# Altium PCB PCB1.PcbDoc (part 3 of 4)
Units mm, origin at the board's own origin, x right, y up, seen from the top; angles counter-clockwise.
Board outline 170.5 x 170.3 mm, 2 copper layers (Top Layer, Bottom Layer); 947 components, 657 nets, 3453 pads, 181 vias.
Unrouted connection lines stored in the file: 2490.
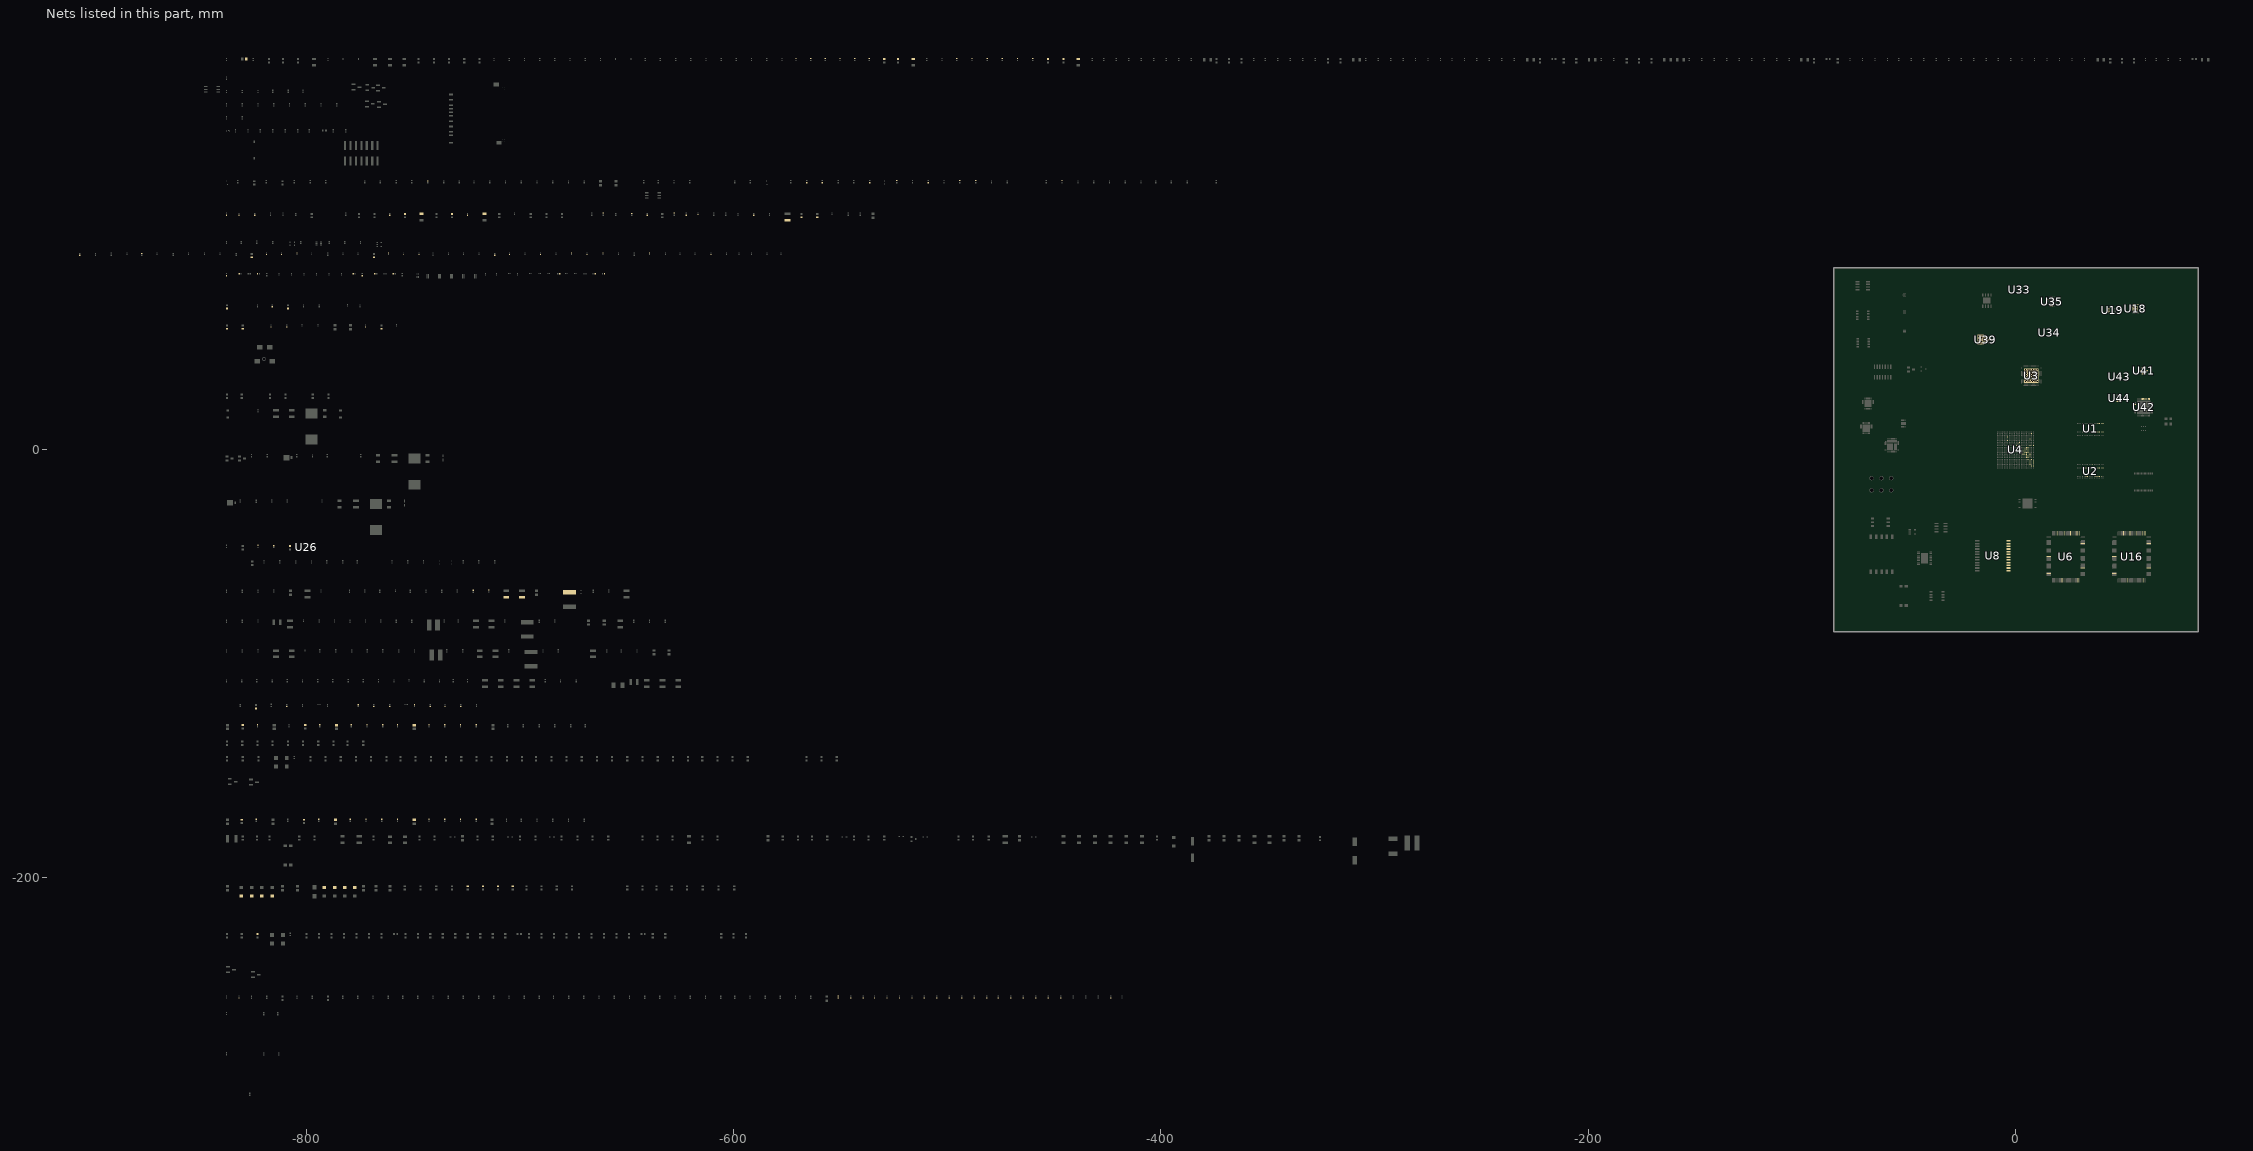
[diagram p3: the nets of this part, all layers, seen from the top]

## Footprints (in the part's own frame and the unit in brackets; to place one, negate y for a bottom-side part, rotate by r counter-clockwise, add the part's x,y. Pads: shape width x height; smd on the part's side, far side on the other; paste and mask are expansions set on the pad) (continued)
PA_RFMD_RFPA3800_8-SOIC [mil] "SOIC, 8-Leads, Body 5.0x4.0mm (max), Pitch 1.27mm, IPC Medium Density"
  rect 60x25 smd: 1(-103.5,75) 2(-103.5,25) 3(-103.5,-25) 4(-103.5,-75) 5(103.5,-75) 6(103.5,-25) 7(103.5,25) 8(103.5,75)
  rect 105x140 smd: 9(0,0)
  silkscreen extent -108,-98 45,114, body extent -79,-98 79,98, height 68
PoEControler_ST_PM8803TR_HTSSOP20 [mm]
  rect 1.3x0.35 smd: 1(-2.85,2.925) 2(-2.85,2.275) 3(-2.85,1.625) 4(-2.85,0.975) 5(-2.85,0.325) 6(-2.85,-0.325) 7(-2.85,-0.975) 8(-2.85,-1.625) 9(-2.85,-2.275) 10(-2.85,-2.925) 11(2.85,-2.925) 12(2.85,-2.275) 13(2.85,-1.625) 14(2.85,-0.975) 15(2.85,-0.325) 16(2.85,0.325) 17(2.85,0.975) 18(2.85,1.625) 19(2.85,2.275) 20(2.85,2.925)
  rect 3.3x4.7 smd: 21(0,0)
  silkscreen extent -2.97,-3.3 1.6,3.77, body extent -2.25,-3.3 2.25,3.3, height 1.2
Polarized_CAPC1206(3216) [mm] "Chip Capacitor, Body 3.2x1.6mm, Height 1mm, IPC Medium Density"
  rect 1.15x1.8 smd: 1(-1.5,0) 2(1.5,0)
  silkscreen extent -2.41,-1.02 0.55,1.02, body extent -1.7,-0.9 1.7,0.9, height 1
Polarized_CAPC1210(3225) [mm] "Chip Capacitor, Body 3.2x2.5mm, Height 1mm, IPC Medium Density"
  rect 1.15x2.7 smd: 1(-1.5,0) 2(1.5,0)
  silkscreen extent -2.41,-1.4 0.55,1.4, body extent -1.7,-1.35 1.7,1.35, height 1
PushButtonSwitch_CnK_1.14002.1110000 [mm]
  rect 1.6x0.55 smd: 3(-2.9,0) 3(2.9,0) 4(-2.9,-1.27) 4(-2.9,1.27) 4(2.9,-1.27) 4(2.9,1.27)
  silkscreen extent -1.37,-2.6 1.38,2.6, body extent -3.25,-2.6 3.25,2.6, height 3.95
QuadComp_Fairchild_LM339MX-NOPB_14SOIC [mm]
  rect 2x0.6 smd: 1(-2.425,3.81) 2(-2.425,2.54) 3(-2.425,1.27) 4(-2.425,0) 5(-2.425,-1.27) 6(-2.425,-2.54) 7(-2.425,-3.81) 8(2.425,-3.81) 9(2.425,-2.54) 10(2.425,-1.27) 11(2.425,0) 12(2.425,1.27) 13(2.425,2.54) 14(2.425,3.81)
  silkscreen extent -2.55,-4.4 0.93,4.78, body extent -2,-4.38 2,4.38, height 1.75
QuadESDDiode_TEConnectivity_SESD0802Q4UG_5-PIN [mm]
  rect 0.3x0.3 smd: 1(0.85,0.15) 2(-0.45,0.15) 3(-0.85,-0.15) 4(0.45,-0.15)
  rect 0.3x0.6 smd: G(0,0)
  silkscreen extent 1.17,0.54 1.37,0.73, body extent -1.05,-0.35 1.05,0.35, height 0.43
Regulator_LT_LT1507CS8-3.3#PBF_8SOIC [mm]
  rect 1.8x0.6 smd: 1(-2.4,1.905) 2(-2.4,0.635) 3(-2.4,-0.635) 4(-2.4,-1.905) 5(2.4,-1.905) 6(2.4,-0.635) 7(2.4,0.635) 8(2.4,1.905)
  silkscreen extent -2.52,-2.5 0.9,2.88, body extent -1.99,-2.5 1.99,2.5, height 1.75
RES_4-ARRAY_YC124-JR-0722RL [mm]
  rect 0.5x0.5 smd: 1(-0.35,0.8) 4(-0.35,-0.8) 5(0.35,-0.8) 8(0.35,0.8)
  rect 0.5x0.35 smd: 2(-0.35,0.25) 3(-0.35,-0.25) 6(0.35,-0.25) 7(0.35,0.25)
  silkscreen extent -1.01,-1.14 0.85,1.56, body extent -0.48,-1.05 0.48,1.05, height 0.55
RESC0201(0603)_N [mm] "Chip Resistor, Body 0.6x0.3mm, IPC Medium Density"
  rect 0.45x0.45 smd: 1(-0.35,0) 2(0.35,0)
  body extent -0.31,-0.16 0.31,0.16, height 0.3
RESC0402(1005)_N [mm] "Chip Resistor, Body 1.0x0.5mm, IPC Medium Density"
  rect 0.55x0.65 smd: 1(-0.5,0) 2(0.5,0)
  body extent -0.52,-0.27 0.53,0.28, height 0.4
RESC0603(1608)_N [mm] "Chip Resistor, Body 1.6x0.8mm, IPC Medium Density"
  rect 0.9x1 smd: 1(-0.8,0) 2(0.8,0)
  silkscreen extent -0.05,-0.4 0.05,0.4, body extent -0.85,-0.47 0.85,0.47, height 0.6
RESC0805(2012)_N [mm] "Chip Resistor, Body 2.0x1.3mm, IPC Medium Density"
  rect 1.05x1.4 smd: 1(-0.95,0) 2(0.95,0)
  silkscreen extent -0.05,-0.6 0.05,0.6, body extent -1.1,-0.67 1.1,0.68, height 0.7
RESC1206(3216)_N [mm] "Chip Resistor, Body 3.2x1.6mm, IPC Medium Density"
  rect 1.15x1.8 smd: 1(-1.45,0) 2(1.45,0)
  silkscreen extent -0.5,-0.8 0.5,0.8, body extent -1.67,-0.87 1.67,0.87, height 0.75
RF_Transceiver_LimeMicro_LMS6002D_DQFN-116 [mm]
  rect 0.45x0.3 smd: 1(-4.55,3.5) 2(-4.55,3) 3(-4.55,2.5) 4(-4.55,2) 5(-4.55,1.5) 6(-4.55,1) 7(-4.55,0.5) 8(-4.55,0) 9(-4.55,-0.5) 10(-4.55,-1) 11(-4.55,-1.5) 12(-4.55,-2) 13(-4.55,-2.5) 14(-4.55,-3) 15(-4.55,-3.5) 31(4.55,-3.5) 32(4.55,-3) 33(4.55,-2.5) 34(4.55,-2) 35(4.55,-1.5) 36(4.55,-1) 37(4.55,-0.5) 38(4.55,0) 39(4.55,0.5) 40(4.55,1) 41(4.55,1.5) 42(4.55,2) 43(4.55,2.5) 44(4.55,3) 45(4.55,3.5)
  rect 0.3x0.45 smd: 16(-3.5,-4.55) 17(-3,-4.55) 18(-2.5,-4.55) 19(-2,-4.55) 20(-1.5,-4.55) 21(-1,-4.55) 22(-0.5,-4.55) 23(0,-4.55) 24(0.5,-4.55) 25(1,-4.55) 26(1.5,-4.55) 27(2,-4.55) 28(2.5,-4.55) 29(3,-4.55) 30(3.5,-4.55) 46(3.5,4.55) 47(3,4.55) 48(2.5,4.55) 49(2,4.55) 50(1.5,4.55) 51(1,4.55) 52(0.5,4.55) 53(0,4.55) 54(-0.5,4.55) 55(-1,4.55) 56(-1.5,4.55) 57(-2,4.55) 58(-2.5,4.55) 59(-3,4.55) 60(-3.5,4.55)
  rect 0.3x0.3 smd: 61(-3.9,3.25) 62(-3.9,2.75) 63(-3.9,2.25) 64(-3.9,1.75) 65(-3.9,1.25) 66(-3.9,0.75) 67(-3.9,0.25) 68(-3.9,-0.25) 69(-3.9,-0.75) 70(-3.9,-1.25) 71(-3.9,-1.75) 72(-3.9,-2.25) 73(-3.9,-2.75) 74(-3.9,-3.25) 75(-3.25,-3.9) 76(-2.75,-3.9) 77(-2.25,-3.9) 78(-1.75,-3.9) 79(-1.25,-3.9) 80(-0.75,-3.9) 81(-0.25,-3.9) 82(0.25,-3.9) 83(0.75,-3.9) 84(1.25,-3.9) 85(1.75,-3.9) 86(2.25,-3.9) 87(2.75,-3.9) 88(3.25,-3.9) 89(3.9,-3.25) 90(3.9,-2.75) 91(3.9,-2.25) 92(3.9,-1.75) 93(3.9,-1.25) 94(3.9,-0.75) 95(3.9,-0.25) 96(3.9,0.25) 97(3.9,0.75) 98(3.9,1.25) 99(3.9,1.75) 100(3.9,2.25) 101(3.9,2.75) 102(3.9,3.25) 103(3.25,3.9) 104(2.75,3.9) 105(2.25,3.9) 106(1.75,3.9) 107(1.25,3.9) 108(0.75,3.9) 109(0.25,3.9) 110(-0.25,3.9) 111(-0.75,3.9) 112(-1.25,3.9) 113(-1.75,3.9) 114(-2.25,3.9) 115(-2.75,3.9) 116(-3.25,3.9)
  rect 6.8x6.8 smd: 117(0,0)
  silkscreen extent -5.45,3.38 -5.2,3.62, body extent -4.5,-4.5 4.5,4.5, height 0.85
SchottkyDiode_BAT46JFILM [mm]
  rect 0.8x0.45 smd: 1(-0.975,0) 2(0.975,0)
  silkscreen extent -1.1,-0.9 0.15,0.9, body extent -0.76,-0.9 0.76,0.9, height 1.17
SchottkyDiode_MBR130T1G_SOD-123 [mm]
  rect 0.91x1.22 smd: 1(-1.635,0) 2(1.635,0)
  silkscreen extent -2.45,-0.8 -2.45,0.8, body extent -1.42,-0.9 1.42,0.9, height 1.35
SchottkyDiode_MBR0520-TP_SOD-123 [mm]
  rect 0.9x1.2 smd: 1(-1.615,0) 2(1.615,0)
  silkscreen extent -2.43,-0.9 -2.43,0.9, body extent -1.43,-0.9 1.42,0.9, height 1.35
SchottkyDiode_RB751S40_2-PIN [mm]
  rect 0.4x0.4 smd: 1(-0.7,0) 2(0.7,0)
  silkscreen extent -1.27,-0.25 -1.27,0.25, body extent -0.65,-0.45 0.65,0.45, height 0.7
SchottkyDiode_SS2P2-M384A_2-PIN [mil]
  rect 105.12x100 smd: 1(-65.06,0)
  rect 30x50 smd: 2(27.5,0)
  silkscreen extent -140,-50 -140,50, body extent -100,-50 26,50, height 28
SchottlyDiode_SMAJ58A_SMA [mm]
  rect 2.1x1.8 smd: 1(-2.2,0) 2(2.2,0)
  silkscreen extent -3.68,-1.4 -3.68,1.4, body extent -2.25,-1.4 2.25,1.4, height 2.29
SchottlyDiode_STPS2H100A_SMA [mm]
  rect 1.4x1.64 smd: 1(-2.015,0) 2(2.015,0)
  silkscreen extent -3,-1.45 -3,1.45, body extent -2.3,-1.45 2.3,1.45, height 2.45
SD_Card_Conn_KYOCERA_145638009511859+ [mm]
  rect 0.8x2 smd: 1(-6.88,-14.6) 2(-4.38,-14.6) 3(-1.08,-14.6) 4(0.62,-14.6) 5(3.12,-14.6) 6(5.62,-14.6) 7(8.05,-14.6) 8(9.75,-14.6) 9(-9.38,-14.6) 10(-2.68,-14.6) 11(13.24,-14.6)
  round 1.4 hole 1.5 unplated paste+0 mask+0.15: H1(-12.1,9.9) H2(12.1,9.9)
  rect 1.8x2.4 smd: H3(-14.1,6.6)
  rect 1.7x2.4 smd: M1(13.25,7.8)
  Keep-Out Layer region: -10,-3.6 10.5,-3.6 10.5,-7.6 -10,-7.6
  silkscreen extent -15.5,-16.1 14.6,15.9, body extent -14.25,-15 14.25,15.4, height 2.9
ShuntRegu_ST_TS431AILT_SOT23-5 [mm]
  rect 1x0.6 smd: 1(-1.2,0.95) 2(-1.2,0) 3(-1.2,-0.95) 4(1.2,-0.95) 5(1.2,0.95)
  silkscreen extent -1.32,-1.5 0.25,1.92, body extent -0.87,-1.5 0.87,1.5, height 1.45
SPDT_Power_L102021ML04Q_Thru-Hole [mm]
  round 2 hole 1.65: 1(-2.85,4.6) 2(-2.85,0) 3(-2.85,-4.6) 4(2.85,-4.6) 5(2.85,0) 6(2.85,4.6)
  silkscreen extent -4.03,-9.55 4.03,9.55, body extent -5.4,-9.55 5.4,9.55, height 12.4
SPI_Flash_S25FL256SAGNFI00_WSON-8 [mm]
  rect 0.9x0.45 smd: 1(-3.75,1.905) 2(-3.75,0.635) 3(-3.75,-0.635) 4(-3.75,-1.905) 5(3.75,-1.905) 6(3.75,-0.635) 7(3.75,0.635) 8(3.75,1.905)
  rect 4.8x4.8 smd: 9(0,0)
  silkscreen extent -4.87,-3 4,3, body extent -4,-3 4,3, height 0.8
Switch_Hittite_HMC849LP4CE_16-QFN [mm]
  rect 0.8x0.4 smd: 1(-1.95,0.975) 2(-1.95,0.325) 3(-1.95,-0.325) 4(-1.95,-0.975) 9(1.95,-0.975) 10(1.95,-0.325) 11(1.95,0.325) 12(1.95,0.975)
  rect 0.4x0.8 smd: 5(-0.975,-1.95) 6(-0.325,-1.95) 7(0.325,-1.95) 8(0.975,-1.95) 13(0.975,1.95) 14(0.325,1.95) 15(-0.325,1.95) 16(-0.975,1.95)
  rect 2.6x2.6 smd: 17(0,0)
  silkscreen extent -3.02,-2.05 2.05,2.05, body extent -2.05,-2.05 2.05,2.05, height 1
Switch_Peregrine_PE42440_16-QFN [mm]
  rect 0.65x0.25 smd: 1(-1.525,0.75) 2(-1.525,0.25) 3(-1.525,-0.25) 4(-1.525,-0.75) 9(1.525,-0.75) 10(1.525,-0.25) 11(1.525,0.25) 12(1.525,0.75)
  rect 0.25x0.65 smd: 5(-0.75,-1.525) 6(-0.25,-1.525) 7(0.25,-1.525) 8(0.75,-1.525) 13(0.75,1.525) 14(0.25,1.525) 15(-0.25,1.525) 16(-0.75,1.525)
  rect 1.8x1.8 smd: 17(0,0)
  silkscreen extent -2.52,-1.55 1.55,1.55, body extent -1.53,-1.52 1.52,1.53, height 0.8
TCXO_KYOCERA_KT2520Y40000ECV28TBA_PCB-6PIN [mm]
  rect 0.5x0.825 smd: 1(-1.075,-0.738) 3(1.075,-0.738) 4(1.075,0.737) 6(-1.075,0.737)
  rect 0.5x0.43 smd: 2(0,-0.935) 5(0,0.935)
  silkscreen extent -2.16,-0.86 -1.91,-0.61, body extent -1.32,-1.08 1.33,1.07, height 0.9
TCXO_TXC_7Q-16.368MBG-T_4-PIN [mm]
  rect 0.78x0.87 smd: 1(-1.515,0.67) 2(-1.515,-0.67) 3(1.515,-0.67) 4(1.515,0.67)
  silkscreen extent -2.58,-1.35 1.7,1.35, body extent -1.68,-1.32 1.68,1.33, height 1.1
Trans_Coilcraft_DA2319-ALC_SOP-6 [mm]
  rect 1.6x0.9 smd: 1(-3.7,1.85) 2(-3.7,0) 3(-3.7,-1.85) 4(3.7,-1.85) 5(3.7,0) 6(3.7,1.85)
  silkscreen extent -3.82,-3.3 2.78,3.3, body extent -2.5,-3.3 2.5,3.3, height 5.4
USB_COM_FTDI_FT232HQTRAY_QFN48_N [mm] "QFN, 48-Leads, Body 8x8mm, Pitch 0.5mm, Thermal Pad 6.3x6.3mm, IPC Medium Density"
  oval 0.9x0.25 smd: 1(-3.95,2.75) 2(-3.95,2.25) 3(-3.95,1.75) 4(-3.95,1.25) 5(-3.95,0.75) 6(-3.95,0.25) 7(-3.95,-0.25) 8(-3.95,-0.75) 9(-3.95,-1.25) 10(-3.95,-1.75) 11(-3.95,-2.25) 12(-3.95,-2.75) 25(3.95,-2.75) 26(3.95,-2.25) 27(3.95,-1.75) 28(3.95,-1.25) 29(3.95,-0.75) 30(3.95,-0.25) 31(3.95,0.25) 32(3.95,0.75) 33(3.95,1.25) 34(3.95,1.75) 35(3.95,2.25) 36(3.95,2.75)
  oval 0.25x0.9 smd: 13(-2.75,-3.95) 14(-2.25,-3.95) 15(-1.75,-3.95) 16(-1.25,-3.95) 17(-0.75,-3.95) 18(-0.25,-3.95) 19(0.25,-3.95) 20(0.75,-3.95) 21(1.25,-3.95) 22(1.75,-3.95) 23(2.25,-3.95) 24(2.75,-3.95) 37(2.75,3.95) 38(2.25,3.95) 39(1.75,3.95) 40(1.25,3.95) 41(0.75,3.95) 42(0.25,3.95) 43(-0.25,3.95) 44(-0.75,3.95) 45(-1.25,3.95) 46(-1.75,3.95) 47(-2.25,3.95) 48(-2.75,3.95)
  rect 6.3x6.3 smd: 49(0,0)
  silkscreen extent -4.97,-4.19 4.19,4.19, body extent -4.04,-4.04 4.04,4.04, height 1
ZenerDiode_BZX84-A3V0215_SOT23-3 [mm]
  rect 0.7x0.5 smd: 1(-1.025,0.95) 2(-1.025,-0.95) 3(1.025,0)
  silkscreen extent -1.15,-1.5 0.7,1.87, body extent -0.7,-1.5 0.7,1.5, height 1.1
ZenerDiode_DDZ6V8CSF-7_2-PIN [mm]
  rect 0.7x0.4 smd: 1(-0.995,0) 2(0.995,0)
  silkscreen extent -1.12,-0.6 0.1,0.87, body extent -0.9,-0.63 0.9,0.63, height 0.75
ZYNQ_xc7z020clg484pkg_BGA-484 [mm]
  round 0.5 smd: A1(-8.4,8.4) A2(-7.6,8.4) A3(-6.8,8.4) A4(-6,8.4) A5(-5.2,8.4) A6(-4.4,8.4) A7(-3.6,8.4) A8(-2.8,8.4) A9(-2,8.4) A10(-1.2,8.4) A11(-0.4,8.4) A12(0.4,8.4) A13(1.2,8.4) A14(2,8.4) A15(2.8,8.4) A16(3.6,8.4) A17(4.4,8.4) A18(5.2,8.4) A19(6,8.4) A20(6.8,8.4) A21(7.6,8.4) A22(8.4,8.4) AA1(-8.4,-7.6) AA2(-7.6,-7.6) AA3(-6.8,-7.6) AA4(-6,-7.6) AA5(-5.2,-7.6) AA6(-4.4,-7.6) AA7(-3.6,-7.6) AA8(-2.8,-7.6) AA9(-2,-7.6) AA10(-1.2,-7.6) AA11(-0.4,-7.6) AA12(0.4,-7.6) AA13(1.2,-7.6) AA14(2,-7.6) AA15(2.8,-7.6) AA16(3.6,-7.6) AA17(4.4,-7.6) AA18(5.2,-7.6) AA19(6,-7.6) AA20(6.8,-7.6) AA21(7.6,-7.6) AA22(8.4,-7.6) AB1(-8.4,-8.4) AB2(-7.6,-8.4) AB3(-6.8,-8.4) AB4(-6,-8.4) AB5(-5.2,-8.4) AB6(-4.4,-8.4) AB7(-3.6,-8.4) AB8(-2.8,-8.4) AB9(-2,-8.4) AB10(-1.2,-8.4) AB11(-0.4,-8.4) AB12(0.4,-8.4) AB13(1.2,-8.4) AB14(2,-8.4) AB15(2.8,-8.4) AB16(3.6,-8.4) AB17(4.4,-8.4) AB18(5.2,-8.4) AB19(6,-8.4) AB20(6.8,-8.4) AB21(7.6,-8.4) AB22(8.4,-8.4) B1(-8.4,7.6) B2(-7.6,7.6) B3(-6.8,7.6) B4(-6,7.6) B5(-5.2,7.6) B6(-4.4,7.6) B7(-3.6,7.6) B8(-2.8,7.6) B9(-2,7.6) B10(-1.2,7.6) B11(-0.4,7.6) B12(0.4,7.6) B13(1.2,7.6) B14(2,7.6) B15(2.8,7.6) B16(3.6,7.6) B17(4.4,7.6) B18(5.2,7.6) B19(6,7.6) B20(6.8,7.6) B21(7.6,7.6) B22(8.4,7.6) C1(-8.4,6.8) C2(-7.6,6.8) C3(-6.8,6.8) C4(-6,6.8) C5(-5.2,6.8) C6(-4.4,6.8) C7(-3.6,6.8) C8(-2.8,6.8) C9(-2,6.8) C10(-1.2,6.8) C11(-0.4,6.8) C12(0.4,6.8) C13(1.2,6.8) C14(2,6.8) C15(2.8,6.8) C16(3.6,6.8) C17(4.4,6.8) C18(5.2,6.8) C19(6,6.8) C20(6.8,6.8) C21(7.6,6.8) C22(8.4,6.8) D1(-8.4,6) D2(-7.6,6) D3(-6.8,6) D4(-6,6) D5(-5.2,6) D6(-4.4,6) D7(-3.6,6) D8(-2.8,6) D9(-2,6) D10(-1.2,6) D11(-0.4,6) D12(0.4,6) D13(1.2,6) D14(2,6) D15(2.8,6) D16(3.6,6) D17(4.4,6) D18(5.2,6) D19(6,6) D20(6.8,6) D21(7.6,6) D22(8.4,6) E1(-8.4,5.2) E2(-7.6,5.2) E3(-6.8,5.2) E4(-6,5.2) E5(-5.2,5.2) E6(-4.4,5.2) E7(-3.6,5.2) E8(-2.8,5.2) E9(-2,5.2) E10(-1.2,5.2) E11(-0.4,5.2) E12(0.4,5.2) E13(1.2,5.2) E14(2,5.2) E15(2.8,5.2) E16(3.6,5.2) E17(4.4,5.2) E18(5.2,5.2) E19(6,5.2) E20(6.8,5.2) E21(7.6,5.2) E22(8.4,5.2) F1(-8.4,4.4) F2(-7.6,4.4) F3(-6.8,4.4) F4(-6,4.4) F5(-5.2,4.4) F6(-4.4,4.4) F7(-3.6,4.4) F8(-2.8,4.4) F9(-2,4.4) F10(-1.2,4.4) F11(-0.4,4.4) F12(0.4,4.4) F13(1.2,4.4) F14(2,4.4) F15(2.8,4.4) F16(3.6,4.4) F17(4.4,4.4) F18(5.2,4.4) F19(6,4.4) F20(6.8,4.4) F21(7.6,4.4) F22(8.4,4.4) G1(-8.4,3.6) G2(-7.6,3.6) G3(-6.8,3.6) G4(-6,3.6) G5(-5.2,3.6) G6(-4.4,3.6) G7(-3.6,3.6) G8(-2.8,3.6) G9(-2,3.6) G10(-1.2,3.6) G11(-0.4,3.6) G12(0.4,3.6) G13(1.2,3.6) G14(2,3.6) G15(2.8,3.6) G16(3.6,3.6) G17(4.4,3.6) G18(5.2,3.6) G19(6,3.6) G20(6.8,3.6) G21(7.6,3.6) G22(8.4,3.6) H1(-8.4,2.8) H2(-7.6,2.8) H3(-6.8,2.8) H4(-6,2.8) H5(-5.2,2.8) H6(-4.4,2.8) H7(-3.6,2.8) H8(-2.8,2.8) H9(-2,2.8) H10(-1.2,2.8) H11(-0.4,2.8) H12(0.4,2.8) H13(1.2,2.8) H14(2,2.8) H15(2.8,2.8) H16(3.6,2.8) H17(4.4,2.8) H18(5.2,2.8) H19(6,2.8) H20(6.8,2.8) H21(7.6,2.8) H22(8.4,2.8) J1(-8.4,2) J2(-7.6,2) J3(-6.8,2) J4(-6,2) J5(-5.2,2) J6(-4.4,2) J7(-3.6,2) J8(-2.8,2) J9(-2,2) J10(-1.2,2) J11(-0.4,2) J12(0.4,2) J13(1.2,2) J14(2,2) J15(2.8,2) J16(3.6,2) J17(4.4,2) J18(5.2,2) J19(6,2) J20(6.8,2) J21(7.6,2) J22(8.4,2) K1(-8.4,1.2) K2(-7.6,1.2) K3(-6.8,1.2) K4(-6,1.2) K5(-5.2,1.2) K6(-4.4,1.2) K7(-3.6,1.2) K8(-2.8,1.2) K9(-2,1.2) K10(-1.2,1.2) K11(-0.4,1.2) K12(0.4,1.2) K13(1.2,1.2) K14(2,1.2) K15(2.8,1.2) K16(3.6,1.2) K17(4.4,1.2) K18(5.2,1.2) K19(6,1.2) K20(6.8,1.2) K21(7.6,1.2) K22(8.4,1.2) L1(-8.4,0.4) L2(-7.6,0.4) L3(-6.8,0.4) L4(-6,0.4) L5(-5.2,0.4) L6(-4.4,0.4) L7(-3.6,0.4) L8(-2.8,0.4) L9(-2,0.4) L10(-1.2,0.4) L11(-0.4,0.4) L12(0.4,0.4) L13(1.2,0.4) L14(2,0.4) L15(2.8,0.4) L16(3.6,0.4) L17(4.4,0.4) L18(5.2,0.4) L19(6,0.4) L20(6.8,0.4) L21(7.6,0.4) L22(8.4,0.4) M1(-8.4,-0.4) M2(-7.6,-0.4) M3(-6.8,-0.4) M4(-6,-0.4) M5(-5.2,-0.4) M6(-4.4,-0.4) M7(-3.6,-0.4) M8(-2.8,-0.4) M9(-2,-0.4) M10(-1.2,-0.4) M11(-0.4,-0.4) M12(0.4,-0.4) M13(1.2,-0.4) M14(2,-0.4) M15(2.8,-0.4) M16(3.6,-0.4) M17(4.4,-0.4) M18(5.2,-0.4) M19(6,-0.4) M20(6.8,-0.4) M21(7.6,-0.4) M22(8.4,-0.4) N1(-8.4,-1.2) N2(-7.6,-1.2) N3(-6.8,-1.2) N4(-6,-1.2) N5(-5.2,-1.2) N6(-4.4,-1.2) N7(-3.6,-1.2) N8(-2.8,-1.2) N9(-2,-1.2) N10(-1.2,-1.2) N11(-0.4,-1.2) N12(0.4,-1.2) N13(1.2,-1.2) N14(2,-1.2) N15(2.8,-1.2) N16(3.6,-1.2) N17(4.4,-1.2) N18(5.2,-1.2) N19(6,-1.2) N20(6.8,-1.2) N21(7.6,-1.2) N22(8.4,-1.2) P1(-8.4,-2) P2(-7.6,-2) P3(-6.8,-2) P4(-6,-2) P5(-5.2,-2) P6(-4.4,-2) P7(-3.6,-2) P8(-2.8,-2) P9(-2,-2) P10(-1.2,-2) P11(-0.4,-2) P12(0.4,-2) P13(1.2,-2) P14(2,-2) P15(2.8,-2) P16(3.6,-2) P17(4.4,-2) P18(5.2,-2) P19(6,-2) P20(6.8,-2) P21(7.6,-2) P22(8.4,-2) R1(-8.4,-2.8) R2(-7.6,-2.8) R3(-6.8,-2.8) R4(-6,-2.8) R5(-5.2,-2.8) R6(-4.4,-2.8) R7(-3.6,-2.8) R8(-2.8,-2.8) R9(-2,-2.8) R10(-1.2,-2.8) R11(-0.4,-2.8) R12(0.4,-2.8) R13(1.2,-2.8) R14(2,-2.8) R15(2.8,-2.8) R16(3.6,-2.8) R17(4.4,-2.8) R18(5.2,-2.8) R19(6,-2.8) R20(6.8,-2.8) R21(7.6,-2.8) R22(8.4,-2.8) T1(-8.4,-3.6) T2(-7.6,-3.6) T3(-6.8,-3.6) T4(-6,-3.6) T5(-5.2,-3.6) T6(-4.4,-3.6) T7(-3.6,-3.6) T8(-2.8,-3.6) T9(-2,-3.6) T10(-1.2,-3.6) T11(-0.4,-3.6) T12(0.4,-3.6) T13(1.2,-3.6) T14(2,-3.6) T15(2.8,-3.6) T16(3.6,-3.6) T17(4.4,-3.6) T18(5.2,-3.6) T19(6,-3.6) T20(6.8,-3.6) T21(7.6,-3.6) T22(8.4,-3.6) U1(-8.4,-4.4) U2(-7.6,-4.4) U3(-6.8,-4.4) U4(-6,-4.4) U5(-5.2,-4.4) U6(-4.4,-4.4) U7(-3.6,-4.4) U8(-2.8,-4.4) U9(-2,-4.4) U10(-1.2,-4.4) U11(-0.4,-4.4) U12(0.4,-4.4) U13(1.2,-4.4) U14(2,-4.4) U15(2.8,-4.4) U16(3.6,-4.4) U17(4.4,-4.4) U18(5.2,-4.4) U19(6,-4.4) U20(6.8,-4.4) U21(7.6,-4.4) U22(8.4,-4.4) V1(-8.4,-5.2) V2(-7.6,-5.2) V3(-6.8,-5.2) V4(-6,-5.2) V5(-5.2,-5.2) V6(-4.4,-5.2) V7(-3.6,-5.2) V8(-2.8,-5.2) V9(-2,-5.2) V10(-1.2,-5.2) V11(-0.4,-5.2) V12(0.4,-5.2) V13(1.2,-5.2) V14(2,-5.2) V15(2.8,-5.2) V16(3.6,-5.2) V17(4.4,-5.2) V18(5.2,-5.2) V19(6,-5.2) V20(6.8,-5.2) V21(7.6,-5.2) V22(8.4,-5.2) W1(-8.4,-6) W2(-7.6,-6) W3(-6.8,-6) W4(-6,-6) W5(-5.2,-6) W6(-4.4,-6) W7(-3.6,-6) W8(-2.8,-6) W9(-2,-6) W10(-1.2,-6) W11(-0.4,-6) W12(0.4,-6) W13(1.2,-6) W14(2,-6) W15(2.8,-6) W16(3.6,-6) W17(4.4,-6) W18(5.2,-6) W19(6,-6) W20(6.8,-6) W21(7.6,-6) W22(8.4,-6) Y1(-8.4,-6.8) Y2(-7.6,-6.8) Y3(-6.8,-6.8) Y4(-6,-6.8) Y5(-5.2,-6.8) Y6(-4.4,-6.8) Y7(-3.6,-6.8) Y8(-2.8,-6.8) Y9(-2,-6.8) Y10(-1.2,-6.8) Y11(-0.4,-6.8) Y12(0.4,-6.8) Y13(1.2,-6.8) Y14(2,-6.8) Y15(2.8,-6.8) Y16(3.6,-6.8) Y17(4.4,-6.8) Y18(5.2,-6.8) Y19(6,-6.8) Y20(6.8,-6.8) Y21(7.6,-6.8) Y22(8.4,-6.8)
  silkscreen extent -10.28,-9.5 9.5,9.5, body extent -9.5,-9.5 9.5,9.5, height 1.6
